# Allegro board board_orcad.brd (continued)
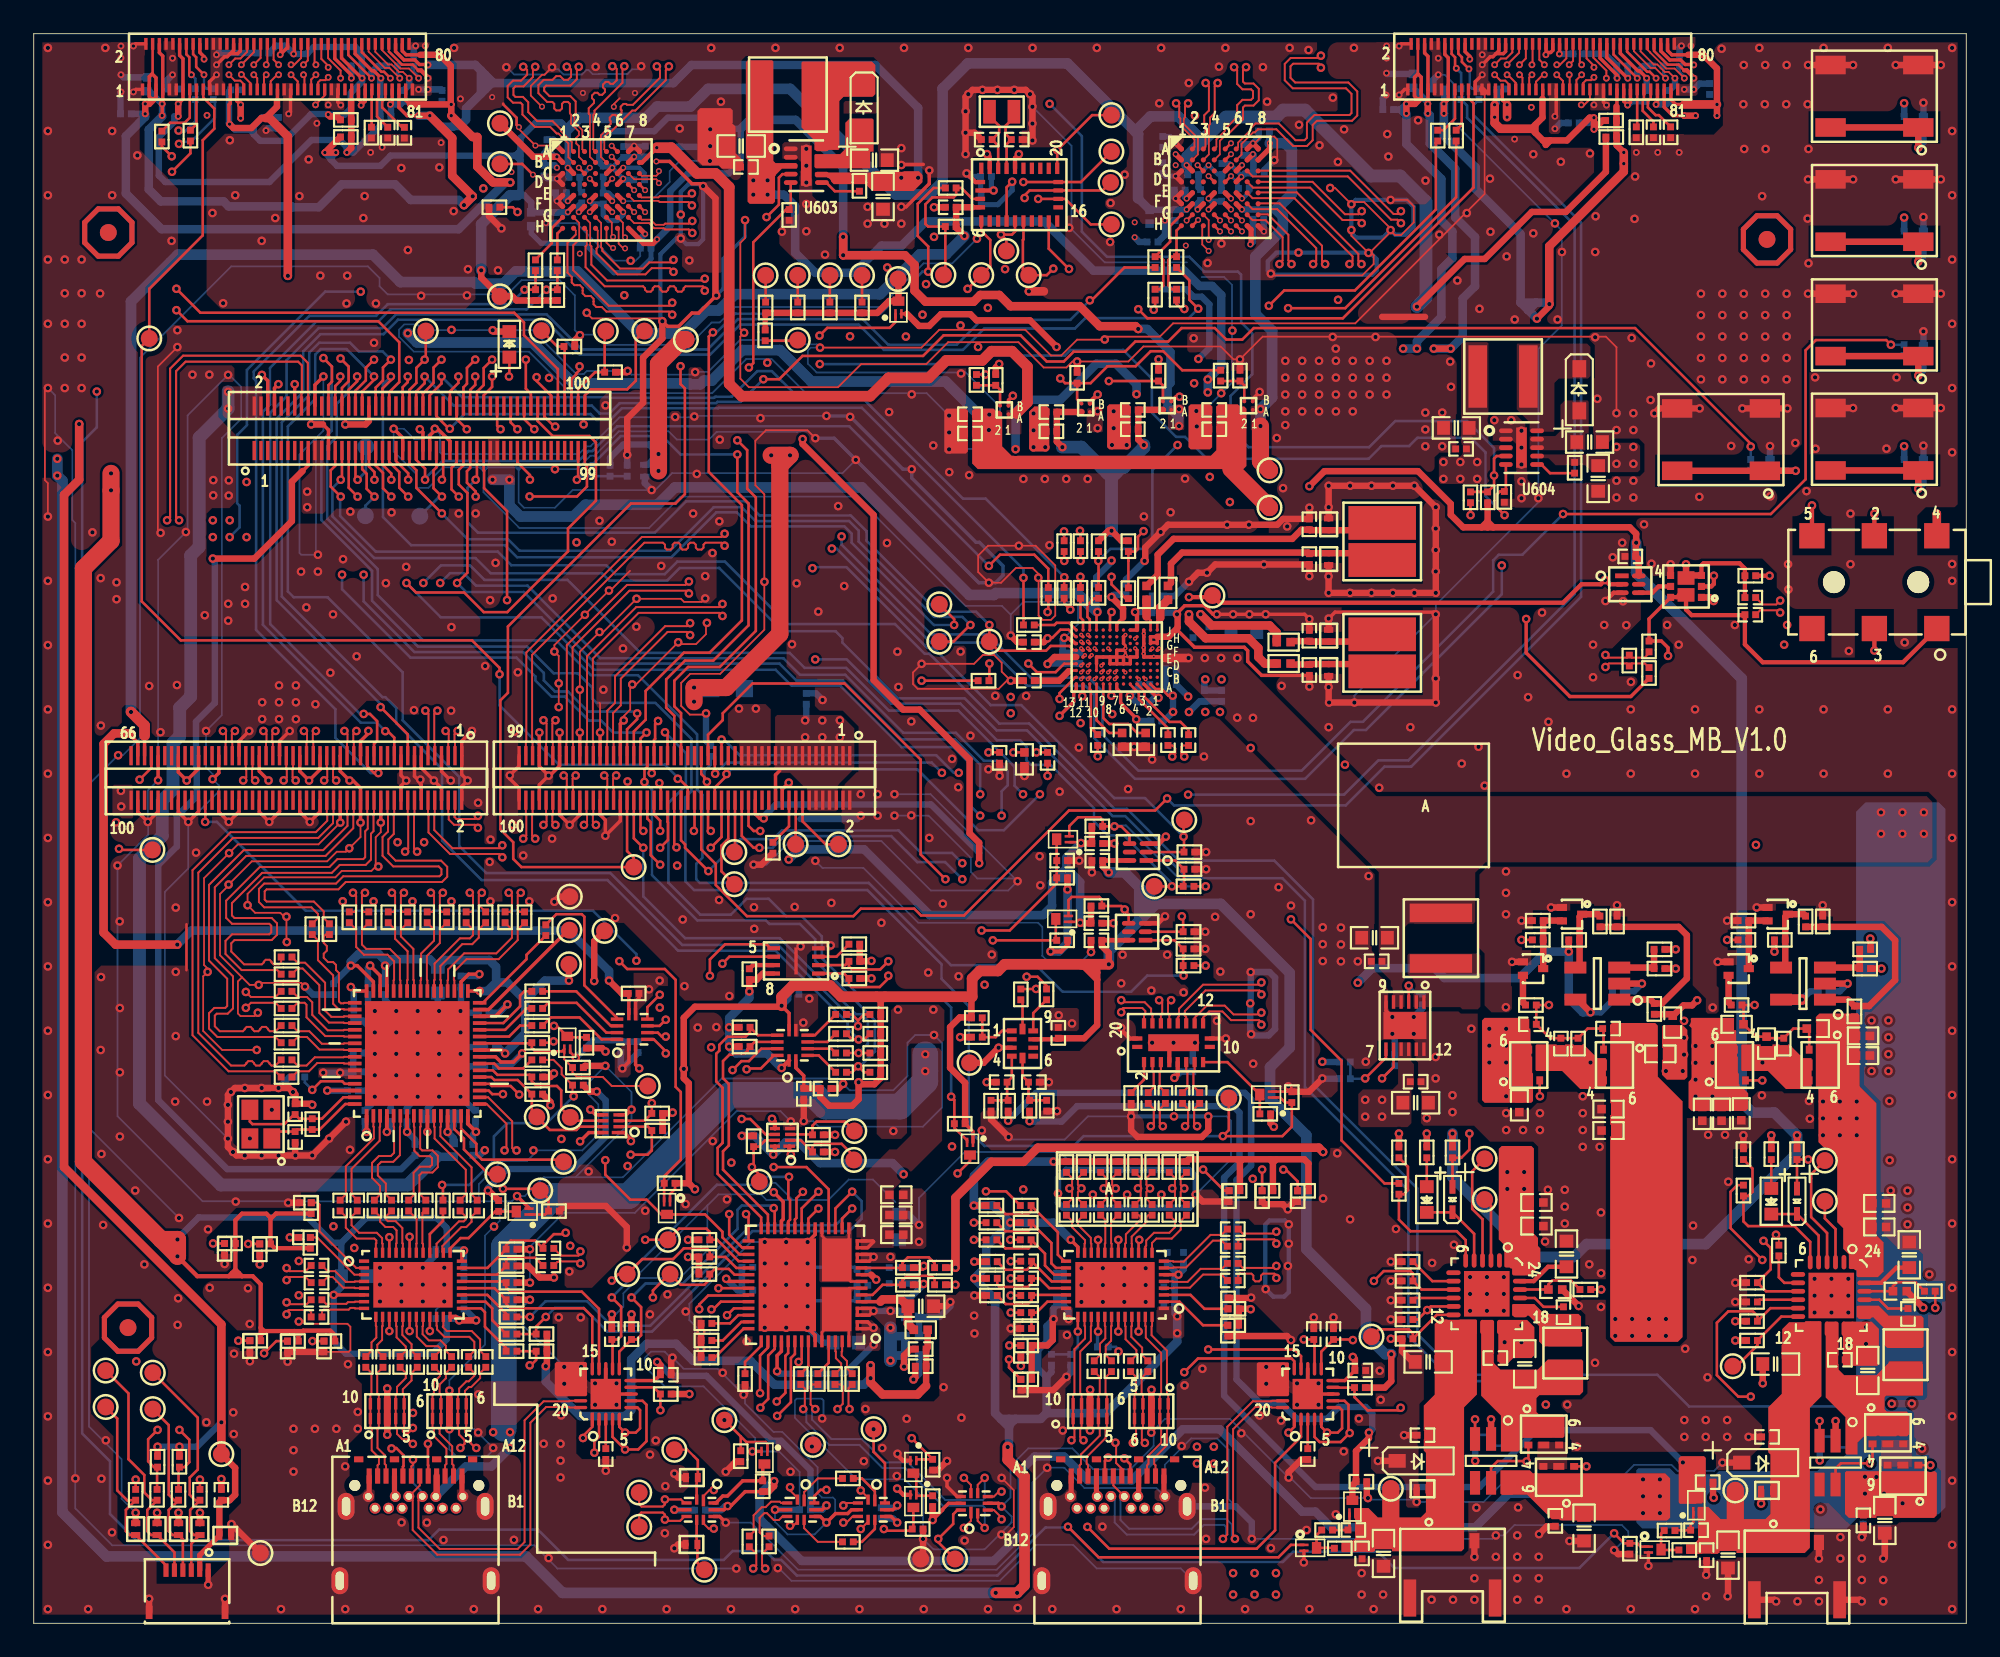
[diagram p0: board, top side]
## Routing (per net, layer and track width the routed paths; a pad name or vN(x,y) marks a point on that pad's centre or on a via; arc(x,y) is an arc through that point) (continued)
  ART03 w0.254: v1(99.59,62.1) 99.09,61.59 93.4,61.59 v1(93.14,61.85)
XTALI: length 5.8
  TOP w0.152: U705.64 18.46,30.78 16.95,29.27 R701.1 15.62,29.27 C701.1 14.52,29.15 X701.1
XTALO: length 7.8
  TOP w0.152: X701.3 12.81,29.74 12.96,29.59 14.86,29.59 15.43,30.16 C702.1 15.74,29.91 R701.2 17.08,29.91 18.36,31.18 U705.63
N449180: length 8.3
  TOP w0.152: v1(5.05,45.91) 5.12,45.85 TP11.1 ; J501.93 6.97,50.71 v1(6.27,50.01)
  ART03 w0.122: v1(6.27,50.01) 6.27,47.13 v1(5.05,45.91)
N461675: length 3.6
  TOP w0.114: U501.9 66.29,22.38 66.29,22.39 66.29,22.55 66.55,22.81 67.46,22.81 67.99,23.34 67.99,23.85 C505.2
N461827: length 3.6
  TOP w0.114: C506.2 67.65,23.85 67.65,23.48 67.32,23.15 66.4,23.15 65.94,22.69 65.94,22.38 65.89,22.33 U501.10
N465991: length 2.4
  TOP w0.114: C509.2 63.86,23.79 63.86,22.53 63.89,22.5 U501.15
N465995: length 2.4
  TOP w0.114: U501.16 63.49,22.5 63.52,22.53 63.52,23.92 C510.2
N465999: length 2.7
  TOP w0.114: C511.2 61.89,23.85 61.89,23.62 62.66,22.85 62.66,22.53 62.69,22.5 U501.18
N466003: length 2.7
  TOP w0.114: C512.2 61.55,23.85 61.55,23.48 62.32,22.71 62.32,22.53 62.29,22.5 U501.19
N466007: length 2.9
  TOP w0.114: C507.2 66.07,24.19 65.96,24.08 65.96,23.79 65.08,22.92 65.08,22.51 65.09,22.5 U501.12
N466011: length 2.9
  TOP w0.114: U501.13 64.69,22.5 64.74,22.55 64.74,23.06 65.61,23.94 65.61,24.08 65.5,24.19 C508.2
N477533: length 4.6
  TOP w0.114: C504.2 70.43,22.68 69.9,22.68 68.31,21.09 67.56,21.09 67.53,21.07 U501.7
N477537: length 4.6
  TOP w0.114: C503.2 70.41,23.03 69.76,23.03 68.17,21.44 67.56,21.44 67.53,21.47 U501.8
N477541: length 4.2
  TOP w0.114: U501.4 67.53,19.87 67.56,19.89 68.54,19.89 69.31,20.67 70.41,20.67 C502.2
N477545: length 4.2
  TOP w0.114: C501.2 70.43,21.01 69.17,21.01 68.39,20.24 67.56,20.24 67.53,20.27 U501.5
N501104: length 6.9
  TOP w0.152: U501.21 61.08,21.47 60.71,21.84 60.71,23.18 R521.1 59.12,24.45 58.93,24.26 57.6,24.26 R519.1
N503640: length 6.5
  TOP w0.152: U501.22 60.6,21.07 60.33,21.34 60.33,22.55 R520.1 59.12,23.43 58.93,23.24 57.6,23.24 R522.1
N514349: length 3
  TOP w0.114: C515.1 65.7,15.9 65.7,16.34 65.06,16.98 65.06,17.6 65.09,17.63 U501.37
N514831: length 3
  TOP w0.114: C516.1 65.36,15.9 65.36,16.2 64.72,16.84 64.72,17.6 64.69,17.63 U501.36
N574039: length 2.9
  TOP w0.152: J301.20 44.77,47.25 R305.1
N574665:
  vias: v1(41.81,54.22) v1(42.81,54.22)
N574841: length 3.4
  TOP w0.152: v1(39.9,49.89) 39.75,50.04 39.75,50.16 39.57,50.34 J301.45
  BOTTOM w0.152: R304.2 40.13,50.9 39.75,50.52 39.75,50.04 v1(39.9,49.89)
N613918: length 3
  TOP w0.152: J602.73 95.85,90.39 95.68,90.22 95.68,89.87 96.14,89.41 96.33,89.41 C661.2
N614800: length 4.1
  TOP w0.102: v5(97.84,91.6) 97.27,92.17 96.77,92.17 95.82,93.12 95.82,93.13 95.65,93.3 J602.72
  BOTTOM w0.152: v5(97.84,91.6) 97.84,91.69 97.56,91.97 C660.2
N615585: length 2.5
  TOP w0.152: J602.71 95.45,90.37 95.38,90.3 95.38,89.66 96.01,89.03 C659.2
N616373: length 4
  TOP w0.102: v5(97.28,91.6) 96.91,91.97 96.68,91.97 96.24,92.41 96.03,92.41 95.25,93.19 J602.70
  BOTTOM w0.381: v5(97.28,91.6) 97.28,91.2 C658.2
N617736: length 2.2
  TOP w0.152: J602.69 95.05,88.76 R622.2
N619066: length 3.8
  TOP w0.102: J602.68 94.85,93.2 95.84,92.21 96.12,92.21 v5(96.73,91.6)
  BOTTOM w0.152: C657.2 96.6,92.32 96.6,91.87 96.73,91.74 v5(96.73,91.6)
N710068: length 3
  TOP w0.152: C647.2 21.83,88.69 20.65,89.87 20.65,90.22 20.85,90.41 J601.73
N710130: length 4.1
  TOP w0.102: J601.72 20.65,93.26 21.74,92.17 22.24,92.17 v5(22.81,91.6)
  BOTTOM w0.152: v5(22.81,91.6) 22.81,91.69 22.53,91.97 C646.2
N710232: length 2.5
  TOP w0.152: C645.2 20.35,89.33 20.35,90.3 20.45,90.4 J601.71
N710312: length 4
  TOP w0.102: J601.70 20.25,93.16 21,92.41 21.21,92.41 21.65,91.97 21.89,91.97 v5(22.26,91.6)
  BOTTOM w0.381: C644.2 22.26,91.2 v5(22.26,91.6)
N710404: length 2.3
  TOP w0.152: J601.69 20.03,90.92 20.03,88.7 R628.2
N710552: length 3.7
  TOP w0.102: J601.68 19.85,93.18 20.82,92.21 21.09,92.21 v5(21.7,91.6)
  BOTTOM w0.152: v5(21.7,91.6) 21.7,91.74 21.56,91.88 C643.2
N793506: length 3.4
  TOP w0.152: R750.2 28.83,35.43 28.18,34.78 U705.27
N794309: length 3.6
  TOP w0.152: R751.2 29.21,36.45 27.94,35.18 U705.28
N795118: length 4.2
  TOP w0.152: R752.2 29.08,37.47 28.83,37.21 28.83,36.58 27.84,35.58 U705.29
N797581: length 5.7
  TOP w0.152: R753.2 29.21,39.63 29.21,39.37 26.62,36.78 U705.32
N809060: length 5.9
  TOP w0.114: U705.49 18.4,36.78 18.37,36.75 18.21,36.75 18.09,36.87 18.09,38.55 17.92,38.72 17.92,39.03 17.75,39.2 17.44,39.2 17.19,39.45 17.19,39.69 17.37,39.88 17.37,40.15 17.19,40.34 17.19,40.71 17.3,40.83 R739.1
N809517: length 6
  TOP w0.114: U705.50 18.4,36.38 18.37,36.41 18.06,36.41 17.75,36.73 17.75,38.41 16.85,39.31 16.85,40.49 R738.1
N809979: length 6.2
  TOP w0.114: R737.1 15.64,39.16 16.08,39.16 17.27,37.97 17.27,36.32 17.64,35.95 18.37,35.95 18.4,35.98 U705.51
N810442: length 6.2
  TOP w0.114: R736.1 15.64,38.82 15.94,38.82 16.93,37.83 16.93,36.18 17.5,35.61 18.37,35.61 18.4,35.58 U705.52
N810906: length 5.1
  TOP w0.114: R735.1 15.64,37.13 16.2,37.13 16.51,36.81 16.51,36.07 17.42,35.15 18.37,35.15 18.4,35.18 U705.53
N811371: length 5.1
  TOP w0.114: U705.54 18.4,34.78 18.37,34.81 17.28,34.81 16.17,35.93 16.17,36.67 16.05,36.79 15.64,36.79 R734.1
N811837: length 4.2
  TOP w0.114: U705.55 18.4,34.38 18.37,34.35 17.08,34.35 16.34,35.1 15.64,35.1 R733.1
N812368: length 4.2
  TOP w0.114: U705.56 18.4,33.98 18.37,34.01 16.94,34.01 16.2,34.75 15.64,34.75 R732.1
N813322: length 4.1
  TOP w0.114: R731.1 15.64,33.06 16.17,33.06 16.66,33.55 18.37,33.55 18.4,33.58 U705.57
N813797: length 4.1
  TOP w0.114: U705.58 18.4,33.18 18.37,33.21 16.8,33.21 16.32,32.72 15.64,32.72 R730.1
N902993: length 2.9
  TOP w0.152: U901.8 82.91,20.28 R902.2
N903439: length 2.5
  TOP w0.152: R903.2 81.88,19.28 U901.10
N904911: length 15.3
  TOP w0.152: R905.1 v1(92.91,19.79) ; R906.1 82.04,18.01 v1(82.6,18.57) 82.82,18.78 U901.11
  ART03 w0.122: v1(92.91,19.79) 91.64,21.06 84.88,21.06 82.6,18.78 v1(82.6,18.57)
N913930: length 2.8
  TOP w0.152: C904.1 89.49,18.76 88.97,19.28 U901.21
N1022925: length 8.6
  TOP w0.152: Q906.3 v1(92.04,9.3) ; Q903.3 88.6,9.69 v1(88.49,9.59) 88.47,9.62 86.78,9.62 86.39,9.22 U903.5
  ART03 w0.122: v1(88.49,9.59) 91.75,9.59 v1(92.04,9.3)
N1064358: length 4.2
  TOP w0.152: R905.2 91.12,20.32 90.02,20.32 89.79,20.09 C905.2 88.11,19.79 U901.22
N1300992: length 5.1
  TOP w0.152: R510.2 57.6,20.95 58.88,20.95 59.15,21.22 C514.2 60.34,20.27 U501.24
N1482727: length 5.6
  TOP w0.152: C424.1 29.73,21.67 28.15,21.67 28,21.51 R410.1 27.48,20.67 U401.26
N1483436: length 4
  TOP w0.114: C426.1 18.5,24.11 18.5,23.45 19.14,22.81 20.19,22.81 20.31,22.69 20.31,22.53 20.28,22.5 U401.40
N1483440: length 4
  TOP w0.114: U401.39 20.68,22.5 20.65,22.53 20.65,22.84 20.34,23.15 19.28,23.15 18.84,23.59 18.84,24.11 C427.1
N1484153: length 3.3
  TOP w0.114: U401.37 21.48,22.5 21.51,22.53 21.51,23.29 21.3,23.5 20.84,23.5 20.53,23.81 20.53,24.11 C428.1
N1484157: length 3.3
  TOP w0.114: C429.1 20.87,24.11 20.87,23.95 20.99,23.84 21.45,23.84 21.85,23.43 21.85,22.53 21.88,22.5 U401.36
N1484922: length 2.7
  TOP w0.114: C430.1 22.69,23.98 22.69,22.52 22.68,22.5 U401.34
N1484926: length 2.6
  TOP w0.114: U401.33 23.08,22.48 23.04,22.52 23.04,24.33 23.15,24.44 C431.1
N1485655: length 3.5
  TOP w0.114: C432.1 25.61,24.11 25.61,23.94 25.5,23.83 25.2,23.83 23.88,22.5 U401.31
N1485659: length 3.5
  TOP w0.114: U401.30 24.22,22.02 24.22,22.36 25.35,23.48 25.64,23.48 25.95,23.8 25.95,24.11 C433.1
N1486396: length 2.9
  TOP w0.114: U401.5 19.04,19.87 19.01,19.89 18.36,19.89 17.72,20.53 17.42,20.53 C420.1
N1486400: length 2.9
  TOP w0.114: C421.1 17.42,20.87 17.86,20.87 18.5,20.24 19.01,20.24 19.04,20.27 U401.4
N1487145: length 2.9
  TOP w0.114: C422.1 17.08,18.48 17.2,18.59 18.67,18.59 18.77,18.69 19.01,18.69 19.04,18.67 U401.8
N1487149: length 2.6
  TOP w0.114: U401.7 19.04,19.07 19.01,19.04 18.63,19.04 18.53,18.94 17.33,18.94 C423.1
N1490856: length 4.3
  TOP w0.114: U401.19 24.28,17.63 24.25,17.6 24.25,17.56 24.49,17.32 25.96,17.32 26.46,16.82 26.46,16.15 C414.2
N1491525: length 4.3
  TOP w0.114: U401.18 23.88,17.63 23.91,17.6 23.91,17.42 24.34,16.98 25.82,16.98 26.12,16.68 26.12,16.15 C415.2
N1594937: length 13.1
  TOP w0.152: v3(63.29,55.97) 63.29,55.97 U1001.B9 ; C1003.1 v1(59.44,51.63)
  GND02 w0.152: v3(63.29,55.97) 63.37,55.89 63.37,52.5 63.99,51.88 63.99,50.56 63.49,50.06 60.66,50.06 60.35,49.75 59.8,49.75 59.44,50.11 v1(59.44,51.63)
N1595683: length 10.2
  TOP w0.152: v3(62.89,55.97) 63,56.08 U1001.B10 ; C1003.2 v1(60.1,50.24)
  GND02 w0.152: v1(60.1,50.24) 60.27,50.41 63.32,50.41 63.68,50.77 63.68,51.71 63.02,52.37 63.02,55.55 62.89,55.68 v3(62.89,55.97)
N1597637: length 4
  TOP w0.152: C1005.1 63.75,52.78 63,53.54 U1001.A10
N1598389: length 4.9
  TOP w0.152: C1004.1 65.41,52.78 64.87,53.31 63.75,53.31 63.4,53.67 63.4,54.23 U1001.A9
N1601393: length 3.2
  TOP w0.152: U1001.A11 62.6,55.38 62.66,55.32 62.66,53.09 C1006.2
N1602917: length 5.7
  TOP w0.152: U1001.B11 62.6,56.08 v3(62.49,55.97) ; C1006.1 v1(63.07,51.4)
  GND02 w0.152: v3(62.49,55.97) 62.49,55.47 62.66,55.3 62.66,51.71 62.97,51.4 v1(63.07,51.4)
N1605053: length 9.1
  TOP w0.152: U1001.C11 62.59,56.48 v3(62.49,56.37) ; v1(58.06,51.63) C1007.1
  GND02 w0.152: v4(62.86,56.51) 62.72,56.37 v3(62.49,56.37)
  ART06 w0.122: v4(62.86,56.51) 61.49,56.51 61.37,56.39 61.13,56.39 58.06,53.32 v1(58.06,51.63)
N1611847: length 10.5
  TOP w0.203: v3(66.31,57.79) 66.31,57.79 U1001.F2
  TOP w0.508: R1005.2 72.97,56.9 72.59,57.28 72.59,57.81 72.01,58.39 69.47,58.39 68.48,59.39 v1(68.48,59.82)
  GND02 w0.254: v3(66.31,57.79) 66.33,57.81 66.33,57.96 66.59,58.22 67.41,58.22 68.48,59.28 v1(68.48,59.82)
N1612628: length 9.3
  TOP w0.203: v3(66.71,57.79) 66.71,57.79 U1001.F1
  TOP w0.508: v1(69.16,59.82) 69.82,59.16 73.25,59.16 73.68,58.73 R1006.2
  GND02 w0.254: v3(66.71,57.79) 67.73,57.79 69.16,59.23 v1(69.16,59.82)
N1613411: length 1.9
  TOP w0.152: U1001.J2 66.2,59.46 65.96,59.69
  TOP w0.508: R1007.2 65.96,59.69
N1614196: length 2.1
  TOP w0.152: U1001.J1 66.6,59.44 66.78,59.61
  TOP w0.508: 66.78,59.61 66.78,60.22 R1008.2
N1664769: length 13.8
  TOP w0.152: v1(63.89,59.95) 63.8,59.86 U1001.J8 ; U1001.H13 61.76,58.48 61.34,58.9 60.86,58.9 60.38,58.42 60.12,58.42 ; U1001.D13 61.07,56.88 60.57,56.38 59.47,56.38 v1(58.96,56.9)
  TOP w0.381: C1001.1 59.87,58.17 60.12,58.42 v1(60.1,58.39)
  ART06 w0.203: v1(58.96,56.9) 58.96,57.26 v1(60.1,58.39) 60.76,59.05 62.99,59.05 v1(63.89,59.95)
N1676321: length 9.7
  TOP w0.152: v1(56.59,51.63) C1002.1 ; U1001.C12 62.19,56.48 v3(62.08,56.37)
  GND02 w0.127: v1(56.59,51.63) 57.62,52.65 60.73,52.65 61.24,53.16 61.24,55.53 v3(62.08,56.37)
N1725409: length 2.6
  TOP w0.114: C417.2 20.02,16.15 20.02,16.65 20.31,16.94 20.31,17.6 20.28,17.63 U401.9
N1726123: length 2.6
  TOP w0.114: C416.2 20.36,16.15 20.36,16.51 20.65,16.79 20.65,17.6 20.68,17.63 U401.10
N1828671: length 5.1
  TOP w0.152: U501.25 60.19,19.87 59.61,20.45 C513.2 59.15,20.16 58.93,19.94 57.27,19.94 57.11,20.09 R509.2
N1995411: length 5.4
  TOP w0.152: R809.2 53.4,20.41 53.21,20.6 51.77,20.6 51.5,20.33 R810.2 50.32,20.07 49.72,19.47 U801.6
N2002496: length 5.2
  TOP w0.152: R811.2 53.4,21.35 53.06,21.69 51.82,21.69 51.5,21.37 R812.2 51.48,21.07 U801.10
N3079043: length 2.7
  TOP w0.114: U401.13 21.88,17.63 21.85,17.6 21.85,17.09 22.4,16.55 22.4,16.15 C418.2
N3080031: length 2.7
  TOP w0.114: C419.2 22.05,16.15 22.05,16.4 21.51,16.95 21.51,17.6 21.48,17.63 U401.12
N3131959: length 1.7
  TOP w0.152: U402.3 C403.1
N3190992: length 2
  TOP w0.127: C525.2 66.39,31.78 66.39,32.69 66.31,32.76 U503.3
N3192158: length 2
  TOP w0.127: C526.2 66.74,31.8 66.74,32.69 66.81,32.76 U503.4
N3193999: length 2
  TOP w0.127: C527.2 68.39,31.75 68.39,32.69 68.31,32.76 U503.7
N3195170: length 2
  TOP w0.127: U503.8 68.81,32.76 68.74,32.69 68.74,31.83 C528.2
N3228420: length 2.1
  TOP w0.152: U503.2 65.81,32.22 R525.2
N3289478: length 1.7
  TOP w0.152: U504.3 C532.1
N3400514: length 3.5
  TOP w0.152: U501.29 v1(61.89,17.3)
  BOTTOM w0.152: v1(61.89,17.3) 61.89,16.36 R513.1 R514.1
N3513315: length 1.9
  TOP w0.152: R1015.1 62.05,59.62 62.2,59.47 U1001.J12
N3674479: length 5.6
  TOP w0.381: R1005.1 74.56,56.84 C1014.1 75.65,56.87 T1004.2 79.5,56.87 J1001.1
N3674483: length 5.6
  TOP w0.381: R1006.1 74.56,58.23 C1013.1 75.65,58.2 T1003.2 79.5,58.2 J1001.2
N3685745: length 14.4
  TOP w0.381: J1002.2 79.53,63.44 T1001.2 75.65,63.44 C1011.1 75.55,63.47 68.07,63.47 67.41,62.81 67.41,61.67 R1008.1
N3686654: length 16.2
  TOP w0.381: R1007.1 66.62,62.16 66.62,63.35 67.56,64.29 74.6,64.29 75.14,64.83 C1012.1 75.65,64.8 T1002.2 79.5,64.8 J1002.1
N3956842: length 2.9
  TOP w0.114: C517.1 63.54,15.9 63.54,16.43 63.86,16.75 63.86,17.6 63.89,17.63 U501.34
N3956846: length 2.9
  TOP w0.114: U501.33 63.49,17.63 63.52,17.6 63.52,16.89 63.2,16.57 63.2,15.9 C518.1
N3960007: length 4.7
  TOP w0.152: R516.1 57.62,18.92 58.93,18.92 59.15,19.14 R518.1 59.18,19.47 U501.26
N3960011: length 3.3
  TOP w0.152: U501.27 60.09,19.07 59.44,18.41 R517.1 R515.1
N4063856: length 2
  TOP w0.254: U1002.5 96.32,61.47 95.94,61.09 U1003.4
N4320964: length 9.4
  TOP w0.381: R841.2 v1(97.33,39.95)
  ART06 w0.508: v1(97.33,39.95) 96.42,39.04 96.42,37.38 v1(92.28,33.24)
N4330009: length 14.2
  TOP w0.152: v1(89.81,36.65) R847.2 C818.2 89.89,34.69 C819.2 R840.1 92.11,35.26 C820.2 93.05,35.2 Q807.3 ; v1(89.28,31.24) 89.27,31.25 Q806.3
  ART03 w0.122: v1(89.28,31.24) 89.28,36.12 v1(89.81,36.65)
N4379007: length 3.2
  TOP w0.381: U808.3 95.99,38.87 R843.2 R841.1
N4402137: length 12.6
  TOP w0.381: U808.1 95.83,36.97 R839.1 96.51,36.74 97.99,38.23 97.99,40.79 97.5,41.29 R844.2 R845.2
N4405681: length 4
  TOP w0.381: Q804.1 R846.1 R848.2 90.57,41.66 Q803.3
N4413317: length 4.4
  TOP w0.381: R845.1 92.73,42.04 Q803.1 91.63,41.88 R842.1 91.63,39.12 U808.4
N4419707: length 1.8
  TOP w0.381: R847.1 88.27,36.81 Q804.3
N4426529: length 13.6
  TOP w0.152: v1(102.01,36.65) R851.2 101.35,36.56 C829.2 102.08,34.78 C828.2 102.81,34.69 R850.1 104.3,35.26 C827.2 105.19,35.26 105.24,35.2 Q801.3 ; Q802.3 v1(102.46,32.18)
  ART03 w0.122: v1(102.01,36.65) 101.66,36.31 101.66,32.99 v1(102.46,32.18)
N4426571: length 12.9
  TOP w0.381: R855.2 R856.2 109.54,41.29 110.34,40.49 110.34,38.13 108.79,36.59 R849.1 107.54,36.97 U807.1
N4426701: length 3.2
  TOP w0.381: R858.1 R857.2 108.18,38.87 U807.3
N4426727: length 4
  TOP w0.381: Q805.1 R853.1 R852.2 102.76,41.66 Q812.3
N4426765: length 1.8
  TOP w0.381: R851.1 100.47,36.81 Q805.3
N4426875: length 11.1
  TOP w0.381: R858.2 108.88,40.57 v1(108.86,40.59)
  ART06 w0.381: v1(102.47,33.24) 103.3,33.24 106.2,36.15 106.2,37.93 v1(108.86,40.59)
N4427111: length 4.4
  TOP w0.381: U807.4 103.83,39.12 R854.1 103.83,41.88 Q812.1 104.92,42.04 R855.1
N4609948: length 4.5
  TOP w0.203: U801.5 50.19,19.07
  TOP w0.508: 50.19,19.07 50.33,19.2 51.41,19.2 51.82,18.8 C812.2 51.82,17.75 R813.2
N4905545: length 2.2
  TOP w0.114: U801.55 47.92,16.13 47.89,16.1 47.89,15.86 48.2,15.54 48.2,15.11 R808.2
N4905795: length 2.2
  TOP w0.114: U801.54 47.52,16.13 47.55,16.1 47.55,15.72 47.86,15.4 47.86,15.13 47.53,14.8 R807.2
N4910945: length 2.1
  TOP w0.152: U801.50 45.92,15.25 R805.2
N4911197: length 2.2
  TOP w0.152: U801.53 47.12,15.44 R806.2
N5493847: length 2.4
  TOP w0.152: R610.1 47.49,84.9 46.97,85.41 U603.6
N5542719: length 2.4
  TOP w0.152: R608.1 89.88,68.18 89.37,68.7 U604.6
N6192870: length 13.2
  TOP w0.152: U703.4 64.96,46.75 64.47,47.24 v1(64.06,47.24) R707.2 63.36,47.63 63.21,47.78 61.91,47.78 61.39,47.26 Q701.2 ; R706.1 v1(69.47,43.69)
  BOTTOM w0.122: v1(64.06,47.24) 64.11,47.29 64.74,47.29 68.35,43.69 v1(69.47,43.69)
N6558933: length 12.7
  TOP w0.152: U704.4 64.9,42.03 64.67,42.27 v1(64.67,42.32) 64.47,42.52 R710.2 63.31,42.91 63.16,43.06 61.53,43.06 61.33,42.87 Q702.2 ; R709.1 v1(69.47,38.99)
  ART03 w0.122: v1(69.47,38.99) 67.44,41.02 65.96,41.02 v1(64.67,42.32)
N8353086: length 3.9
  TOP w0.152: X1101.1 56.65,89.35 57.23,88.77 57.23,88.38 C1104.1 57.17,87.6 U1101.27
N8353178: length 9.5
  TOP w0.152: TP1111.1 54.04,80.05 R1110.1 53.01,82.8 52.86,82.96 52.86,84.12 53.26,84.53 54.52,84.53 54.68,84.68 R1109.1 54.99,85.09 55.64,84.44 U1101.4
N8353236: length 3.8
  TOP w0.152: U1101.26 57.67,87.68 C1105.1 57.61,88.3 57.61,88.77 58.1,89.27 X1101.2
N8353280: length 5.2
  TOP w0.152: U1101.9 57.67,85.13 v1(58,85.46)
  BOTTOM w0.305: C1103.1 57.14,84.1 58,84.95 v1(58,85.46)
N8518121: length 6
  TOP w0.152: R523.1 57.6,22.23 58.97,22.23 59.12,22.38 R524.1 59.94,21.91 59.94,21.21 60.49,20.67 U501.23
N8519947: length 1.8
  TOP w0.152: U501.32 v1(63.09,17.3)
  BOTTOM w0.203: R512.1 63.05,17.26 v1(63.09,17.3)
N8557259: length 2.3
  TOP w0.152: Q808.3 52.32,8.72 Q811.1 52.37,7.56 R820.2
N8604298: length 3.9
  TOP w0.152: C1008.1 67.23,53.06 65.51,54.79 65.51,55.14 65,55.65 U1001.A5
N8605305: length 4.7
  TOP w0.152: U1001.A4 65.84,55.24 65.84,54.91 67.32,53.44 67.98,53.44 68.45,52.96 C1009.1
N8711936: length 3.1
  TOP w0.152: U803.8 80.61,32.98 v1(79.92,32.3)
  BOTTOM w0.152: v1(79.92,32.3) 80.67,33.05 R819.2
N8787935: length 2.1
  TOP w0.152: R815.2 47.58,39.52 U802.3
N8811803: length 1.5
  TOP w0.254: R814.2 42.64,39.02 U802.7
N8895024: length 4
  TOP w0.152: R1003.2 60.14,59.99 v1(60.1,59.95) ; v3(62.09,58.6) 62.2,58.49 U1001.H12
  GND02 w0.152: v1(60.1,59.95) 60.1,59.23 60.43,58.9 61.78,58.9 v3(62.09,58.6)
N8896588: length 7.1
  TOP w0.152: v1(56.65,56.9) 56.65,55.91 R1004.2
  TOP w0.203: U1001.F12 62.2,57.69 v3(62.09,57.8)
  GND02 w0.152: v4(61.73,57.77) 62.06,57.77 v3(62.09,57.8)
  ART03 w0.122: v1(56.65,56.9) 57.05,57.3 57.73,57.3 58.34,57.91 61.59,57.91 v4(61.73,57.77)
N8909823: length 3.1
  TOP w0.254: U901.23 88.91,20.28 89.77,21.13 C903.2
N9698835: length 8.8
  TOP w0.381: v1(111.71,73.96) J1102.1 J1102.2
  BOTTOM w0.381: v1(111.71,73.96) 112.01,74.27 T1102.2 110.93,75.1 R1102.2
N9700770: length 8.9
  TOP w0.381: J1101.2 J1101.1 v1(111.71,87.48)
  BOTTOM w0.381: v1(111.71,87.48) 112.01,87.78 T1101.2 111.54,88.65 111.54,88.68 R1101.2
N9701649: length 8.8
  TOP w0.381: v1(111.71,80.72) J1104.1 J1104.2
  BOTTOM w0.381: R1104.2 111.54,81.9 111.54,81.87 T1104.2 112.01,81.03 v1(111.71,80.72)
N10102285: length 8.6
  TOP w0.381: J1103.2 J1103.1 v1(111.71,67.26)
  BOTTOM w0.381: R1103.2 111.54,68.35 111.54,68.32 T1103.2 112.01,67.56 v1(111.71,67.26)
N10154362: length 11.1
  TOP w0.152: J1105.4 8.84,4.97 T1107.2 8.23,5.23 8,5.46 8,6.71 R1106.1 8.33,7.29 8,7.62 8,11.75 TP1103.1
N10154374: length 14.3
  TOP w0.152: J1105.3 9.34,4.72 T1106.2 9.5,5.23 9.27,5.46 9.27,6.71 R1105.1 9.57,7.29 9.25,7.62 9.25,8.64 9.72,9.11 9.72,12.19 TP1102.1
N10154418: length 14.4
  TOP w0.152: TP1104.1 5.61,13.63 5.61,9.73 6.55,8.79 6.55,7.75 7.01,7.29 R1107.1 6.73,6.71 6.73,5.46 6.96,5.23 T1108.2 8.34,4.2 J1105.5
N10154492: length 12.1
  TOP w0.152: J1105.6 7.84,3.43 T1109.2 5.69,5.23 5.46,5.46 5.46,6.71 R1108.1 5.53,7.29 4.95,7.88 4.95,12.14 TP1105.1
N10693033: length 2.7
  TOP w0.152: R1013.1 60.5,59.18 60.63,59.31 61.37,59.31 U1001.J13
N10693334: length 3.8
  TOP w0.152: R1014.1 61.09,60.76 61.09,60.45 v1(61.44,60.1)
  TOP w0.203: U1001.G11 62.6,58.09 v3(62.49,58.2)
  GND02 w0.102: 62.86,58.68 62.86,58.57 v3(62.49,58.2)
  GND02 w0.152: v1(61.44,60.1) 61.59,59.95 61.94,59.95 62.86,59.03 62.86,58.68
N10697228: length 6.9
  TOP w0.152: R1016.1 62.05,62.99 v1(62.05,62.98) ; U1001.F10 63,57.69 v3(62.89,57.8)
  GND02 w0.152: v1(62.05,62.98) 62.52,62.51 62.52,59.88 63.44,58.96 63.44,57.98 63.25,57.8 v3(62.89,57.8)
N10697531: length 6.6
  TOP w0.152: R1017.1 61.08,62.99 v1(61.09,62.98) ; v3(62.49,58.6) 62.6,58.49 U1001.H11
  GND02 w0.152: v1(61.09,62.98) 60.6,62.49 60.6,61.74 60.81,61.53 60.81,59.77 60.99,59.59 61.9,59.59 62.49,59 v3(62.49,58.6)
N11232422: length 4.2
  TOP w0.152: R911.2 111.54,20.22 110.44,20.22 110.21,19.99 C911.2 108.53,19.68 U902.22
N11232558: length 3
  TOP w0.254: U902.23 109.51,20.18 110.42,21.08 C909.2
N11232828: length 2.8
  TOP w0.152: U902.21 109.39,19.18 109.92,18.66 C910.1
N11232848: length 2.5
  TOP w0.152: R908.2 103.44,20.51 103.77,20.18 U902.8
N11232852: length 2.5
  TOP w0.152: U902.10 102.31,19.18 R909.2
N11232942: length 26.1
  TOP w0.152: v1(101.78,13.44) 101.04,13.44 99.77,14.71 99.77,17.81 100.45,18.49 101.9,18.49 102.17,18.22 R912.1 102.95,18.68 U902.11 ; R911.1 v1(112.72,18.69)
  ART06 w0.122: v1(101.78,13.44) 108.43,13.44 112.72,17.72 v1(112.72,18.69)
N11506579: length 2.4
  TOP w0.152: U1001.J11 62.6,59.52 62.46,59.66 62.46,60.36 62.87,60.77 R1002.2
N11507602: length 6.7
  TOP w0.152: v1(63.89,62.04) 63.89,61.59 64.73,60.75 R1001.2 ; U1001.F8 63.8,57.69 v3(63.69,57.8)
  GND02 w0.152: v1(63.89,62.04) 64.37,61.55 64.37,59.68 63.79,59.11 63.79,57.9 v3(63.69,57.8)
N11540690: length 2.9
  TOP w0.152: J601.14 9.05,93.01 9.22,92.84 9.22,91.92 v5(9.35,91.8)
  BOTTOM w0.152: v5(9.35,91.8) 9.58,91.57 R623.1
N11551758: length 3.7
  TOP w0.152: J601.15 9.25,89.26 8.94,88.95 8.09,88.95 R611.1
N11552429: length 3.4
  TOP w0.152: v5(10.09,91.8) 9.63,92.26 9.63,92.84 9.45,93.02 J601.16
  BOTTOM w0.152: v5(10.09,91.8) 10.09,91.13 10.24,90.97 R612.1
N11553825: length 2.6
  TOP w0.152: R613.1 9.65,88.87 J601.17
N11562122: length 2.6
  TOP w0.152: J602.17 84.65,88.85 R621.1
N11562797: length 3.4
  TOP w0.152: v5(85.07,92.15) 84.66,92.56 84.66,92.84 84.45,93.05 J602.16
  BOTTOM w0.152: R620.1 85.27,90.97 85.12,91.13 85.12,92.1 v5(85.07,92.15)
N11563473: length 3
  TOP w0.152: R619.1 83.56,88.51 84.25,89.2 J602.15
N11564150: length 2.9
  TOP w0.152: J602.14 84.05,93.04 84.25,92.84 84.25,92.26 v5(84.32,92.19)
  BOTTOM w0.152: v5(84.32,92.19) 84.61,91.9 R618.1
N11717787: length 9.9
  TOP w0.152: U901.6 84.88,22.71 84.35,23.24 81.61,23.24 80.92,23.93 R918.2 81.21,25.44 81.46,25.68 81.46,27.06 R904.2
N11749043: length 4.3
  TOP w0.152: R406.1 28,16.32 26.75,17.58 26.75,18.44 26.52,18.67 U401.21
N11749394: length 3.8
  TOP w0.152: R407.1 27.18,17.97 27.18,18.67 26.78,19.07 U401.22
N11749746: length 3.3
  TOP w0.152: U401.23 26.89,19.47 28,18.35 R408.1
N11750099: length 2.8
  TOP w0.152: R409.1 24.26,23.85 23.48,23.07 U401.32
N12644389: length 2
  TOP w0.152: R632.1 31.04,82.39 U602.H1
N12645126: length 3.2
  TOP w0.152: U602.G1 30.71,82.71 30.71,81.81 29.74,80.85 R631.1
N13634046: length 9.9
  TOP w0.152: U902.6 105.3,22.61 104.37,23.55 101.63,23.55 101.35,23.83 R914.2 101.64,25.33 101.88,25.58 101.88,26.96 R910.2
N13822389: length 5.3
  TOP w0.152: TP905.1 100.94,15.24 102.17,16.47 R933.2 103.59,18.18 U902.12
N13825666: length 6
  TOP w0.152: U901.12 83.17,18.28 R934.2 81.75,17.18 81.51,17.42 79.73,17.42 TP906.1
N13955692: length 8.7
  TOP w0.152: Q904.3 109,9.64 v1(108.84,9.48) 107.12,9.48 106.81,9.17 U904.5 ; v1(112.43,9.37) Q905.3
  ART03 w0.122: v1(108.84,9.48) 112.31,9.48 v1(112.43,9.37)
N14056750: length 3.1
  TOP w0.152: U904.3 v1(105.86,11.99)
  BOTTOM w0.152: v1(105.86,11.99) 105.87,11.98 R921.2 R922.2
N14059137: length 3.1
  TOP w0.152: U903.3 v1(85.44,12.09)
  BOTTOM w0.152: R920.2 R919.2 85.45,12.08 v1(85.44,12.09)
N14207457: length 3.5
  TOP w0.114: U401.16 23.08,17.63 23.05,17.6 23.05,17.14 23.42,16.77 24.11,16.77 24.43,16.45 24.43,16.15 C435.2
N14208601: length 3.5
  TOP w0.114: U401.15 22.68,17.63 22.71,17.6 22.71,17 23.28,16.43 23.97,16.43 24.09,16.31 24.09,16.15 C434.2
N14444558: length 1.7
  TOP w0.152: LED301.1 R923.2
N14453922: length 1.7
  TOP w0.152: LED302.1 R925.2
N14469500: length 9.8
  TOP w0.152: v1(28.17,73.91) 28.19,73.94 LED304.1 ; v1(29.41,67.8) 29.41,68.07 28.67,68.81 J302.79
  ART06 w0.152: v1(28.17,73.91) 29.18,72.9 29.18,68.03 v1(29.41,67.8)
N14536845: length 2.3
  TOP w0.152: R937.2 76.04,5.22 Q402.3 77.07,4.47 R930.2
N14559099: length 2.3
  TOP w0.152: R931.2 96.49,4.34 Q403.3 96.46,5.31 96.65,5.5
N14625751: length 3.7
  TOP w0.152: R928.1 R929.2 58.96,31.07 C926.1 58.61,32.43 U905.5
N14625807: length 3.8
  TOP w0.152: U905.4 57.98,32.36 C925.1 57.7,31.06 R927.2 R926.1
N14641767: length 3.9
  TOP w0.152: TP301.1 46.94,46.18 45.57,47.55 J301.16
N14642830: length 2.6
  TOP w0.152: TP302.1 45.16,46.88 45.17,46.89 J301.18
N14646052: length 3.1
  TOP w0.152: TP313.1 41.57,45.76 J301.36
N14647131: length 5.5
  TOP w0.152: TP314.1 40.77,44.58 40.77,46.1 41.17,46.5 J301.38
N14695233: length 2.2
  TOP w0.152: R917.1 59.25,36.17 U905.9
N14695567: length 1.8
  TOP w0.152: U905.10 58.61,36.86 R907.1
N14897144: length 9.7
  TOP w0.381: v1(104.44,68.32) J1106.1 J1106.2
  BOTTOM w0.381: R1111.2 102.18,68.35 102.18,68.32 T1110.2 103.94,68.32 103.94,68.32 v1(104.44,68.32)
N14915482: length 4.5
  TOP w0.203: U403.10 40.43,7.13 40.84,7.54 41.12,7.54 42.02,8.44 R437.2 43.21,9.34 Q405.3
N15279169: length 2.5
  TOP w0.152: R724.1 R727.2 71.76,73.39 U711.B2
N15283828: length 2.5
  TOP w0.152: R725.1 R723.2 57.28,73.13 U710.B2
N15459534: length 6
  TOP w0.114: U705.44 21.33,38.12 21.36,38.15 21.36,39.24 20.97,39.64 19.57,39.64 19.11,40.09 19.11,41.13 R740.1
N15459870: length 6
  TOP w0.114: U705.43 21.73,38.12 21.7,38.15 21.7,39.38 21.11,39.98 19.71,39.98 19.45,40.24 19.45,41.13 R741.1
